# Altium PCB EEG_new.PcbDoc (part 2 of 2)
Units mm, origin at the board's own origin, x right, y up, seen from the top; angles counter-clockwise.
Board outline 100 x 80 mm, 2 copper layers (Top Layer, Bottom Layer); 142 components, 121 nets, 600 pads, 151 vias.
Unrouted connection lines stored in the file: 112.
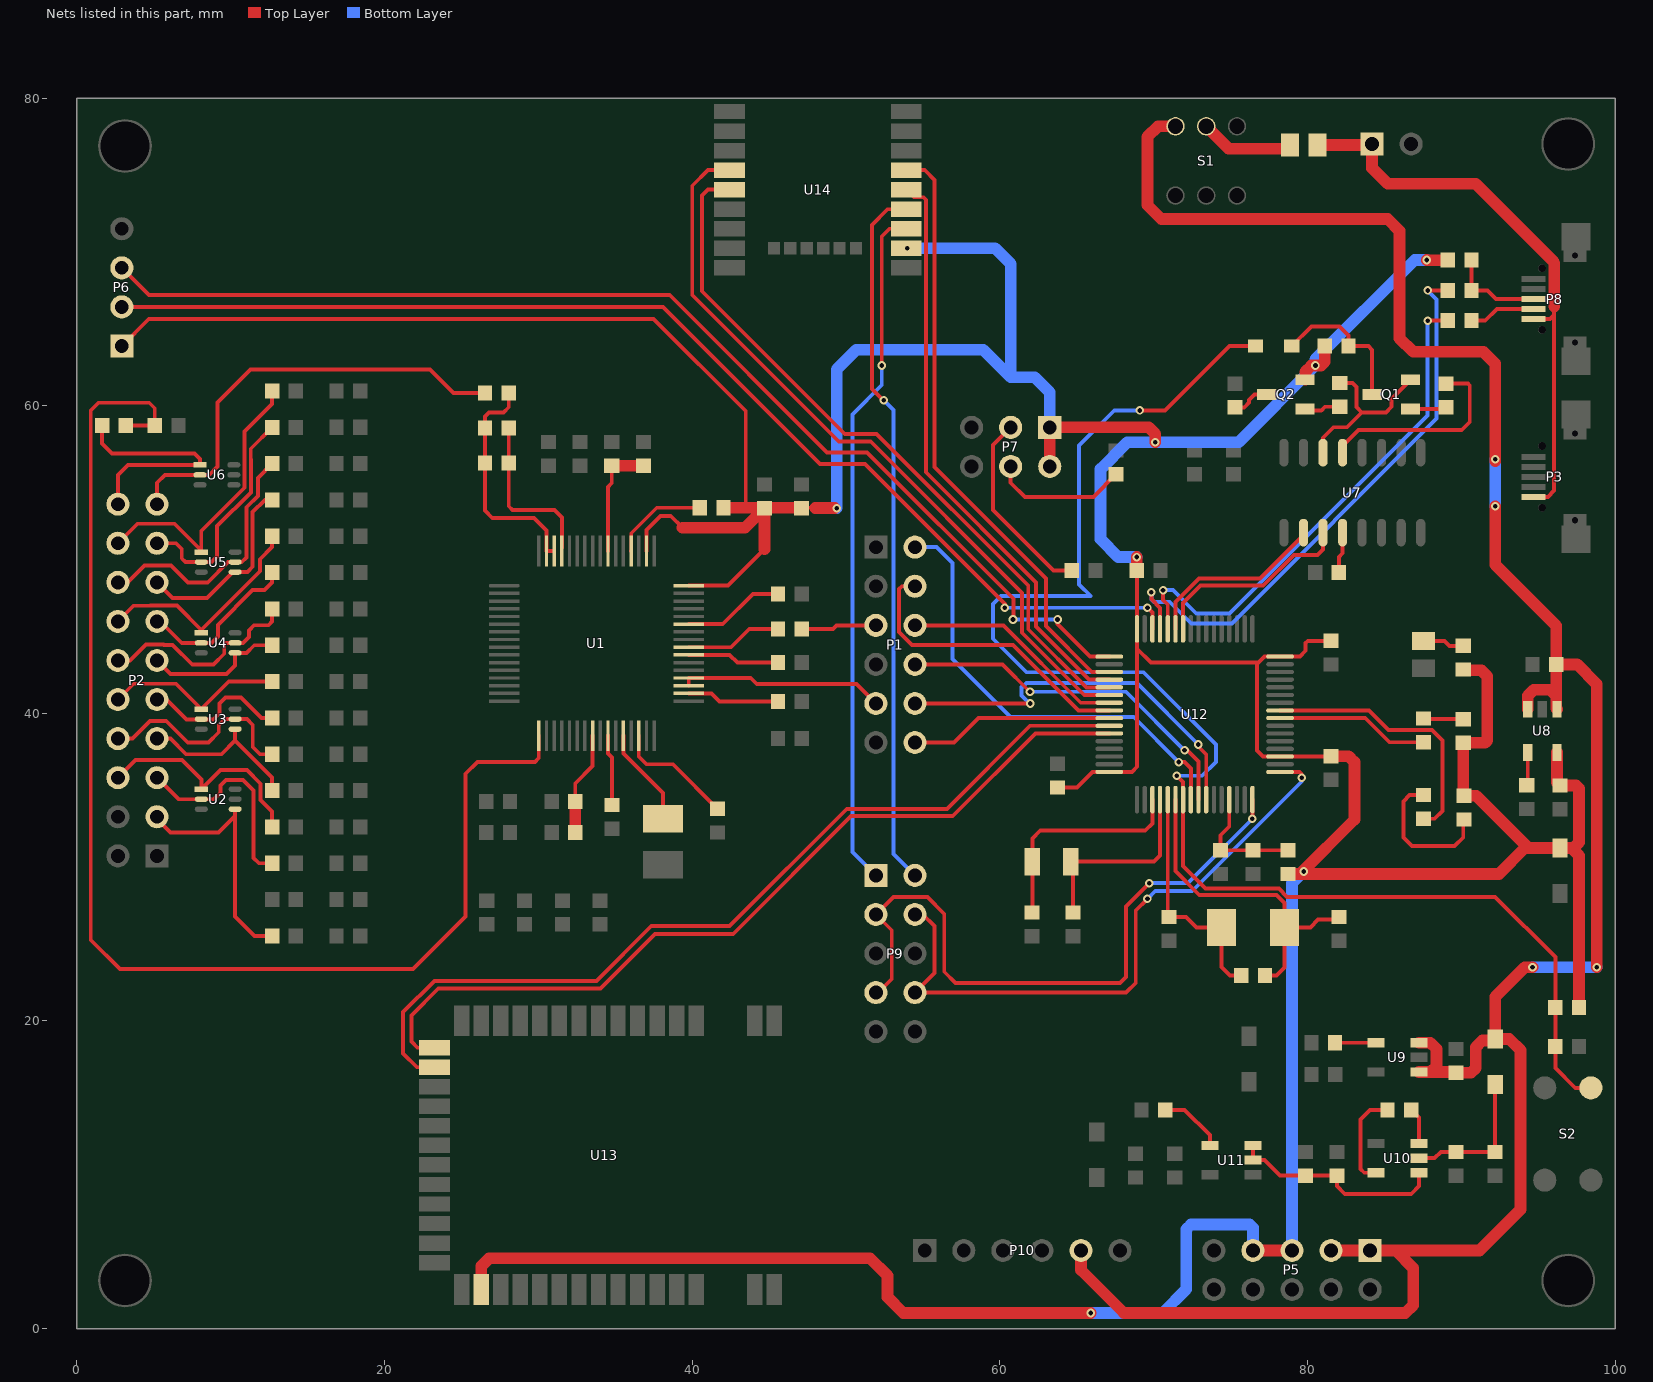
[diagram p2: the nets of this part, all layers, seen from the top]

## Via types
v1: diameter 0.559, hole 0.305, Top Layer to Bottom Layer, tented both sides, 151 vias

## Nets (pads, with @x,y where several pads share a name; then routed paths per layer and width w, separated by ;. In a path a pad name is that pad's centre, name@x,y a point inside that pad or via, vN(x,y) a via of type N, cw(c..) or ccw(c..) an arc to the next point about the centre after c; other vN are vias at no path point) (continued)
IN1P: P2.3 R6.1 U2.4 | length 15.9
  Top Layer w0.254: P2.3@5.207,33.274 5.207,33.131 6.096,32.242 9.211,32.242 10.287,33.318 ; U2.4@10.287,33.766 10.287,33.318 ; R6.1@12.692,25.527 11.557,25.527 10.287,26.797 10.287,33.318
IN2N: P2.6 R9.1 U2.1 | length 14.9
  Top Layer w0.254: P2.6@2.667,35.814 3.81,36.957 6.837,36.957 8.107,35.687 U2.1@8.107,35.218 ; U2.1@7.976,35.087 8.107,35.087 9.343,36.322 11.049,36.322 11.948,35.423 11.948,34.37 12.692,33.626 R9.1@12.692,32.614
IN2P: P2.5 R7.1 U2.2 | length 13.7
  Top Layer w0.254: P2.5@5.207,35.814 6.605,34.416 U2.2@8.087,34.416 8.923,34.416 9.324,34.817 9.324,35.301 9.699,35.676 10.796,35.676 11.481,34.992 11.481,30.604 11.834,30.251 R7.1@12.692,30.251
IN3N: P2.8 R15.1 U3.5 | length 13.8
  Top Layer w0.254: P2.8@2.667,38.354 3.61,38.354 4.753,39.497 5.81,39.497 7.207,38.1 8.555,38.1 9.223,38.768 9.223,39.237 9.583,39.597 9.61,39.624 U3.5@10.287,39.624 11.049,39.624 11.43,39.243 11.43,37.814 11.906,37.338 R15.1@12.692,37.338
IN3P: P2.7 R11.1 U3.4 | length 10.9
  Top Layer w0.254: P2.7@5.207,38.354 6.074,38.354 7.09,37.338 9.398,37.338 10.287,38.227 ; U3.4@10.287,38.974 10.287,38.227 ; R11.1@12.692,34.976 12.692,35.822 10.287,38.227
IN4N: P2.10 R16.1 U3.1 | length 11.9
  Top Layer w0.254: P2.10@2.667,40.894 3.696,41.923 6.438,41.923 U3.1@8.087,40.274 9.875,42.062 R16.1@12.692,42.062
IN4P: P2.9 R12.1 U3.2 | length 9.5
  Top Layer w0.254: P2.9@5.207,40.894 5.82,40.894 7.117,39.597 8.863,39.597 9.271,40.005 9.271,40.64 9.652,41.021 10.668,41.021 11.989,39.7 R12.1@12.692,39.7
IN5N: P2.12 R20.1 U4.5 | length 13.6
  Top Layer w0.254: P2.12@2.667,43.434 3.456,43.434 4.485,44.463 5.633,44.463 5.647,44.45 6.223,44.45 7.501,43.172 8.881,43.172 9.583,43.873 9.583,44.55 9.61,44.577 U4.5@10.287,44.577 10.795,44.577 11.176,44.958 11.176,45.39 11.511,45.724 12.45,45.724 12.692,45.966 R20.1@12.692,46.787
IN5P: P2.11 R18.1 U4.4 | length 9.1
  Top Layer w0.254: P2.11@5.207,43.434 6.096,42.545 9.735,42.545 10.287,43.097 U4.4@10.287,43.927 11.032,43.927 11.53,44.425 R18.1@12.692,44.425
IN6N: P2.14 R21.1 U4.1 | length 14.5
  Top Layer w0.254: P2.14@2.667,45.974 3.683,46.99 4.767,46.99 4.781,47.003 6.501,47.003 8.087,45.417 11.906,49.236 11.906,50.015 12.692,50.801 R21.1@12.692,51.511
IN6P: P2.13 R19.1 U4.2 | length 10.8
  Top Layer w0.254: P2.13@5.207,45.974 5.422,45.974 6.819,44.577 U4.2@8.087,44.577 8.764,44.577 9.173,44.986 9.173,45.749 11.429,48.005 12.193,48.005 12.692,48.505 R19.1@12.692,49.149
IN7N: P2.16 R24.1 U5.5 | length 16.7
  Top Layer w0.254: P2.16@2.667,48.514 3.302,48.514 4.399,49.611 6.127,49.611 7.224,48.514 8.509,48.514 9.828,49.833 U5.5@10.287,49.833 10.717,49.833 11.023,50.139 11.023,53.399 11.762,54.138 11.762,55.306 R24.1@12.692,56.236
IN7P: P2.15 R22.1 U5.4 | length 12.6
  Top Layer w0.254: P2.15@5.207,48.514 6.223,47.498 8.461,47.498 10.146,49.183 U5.4@10.287,49.183 11.083,49.183 11.429,49.529 11.429,53.085 12.217,53.873 R22.1@12.692,53.873
IN8N: P2.18 R25.1 U5.1 | length 19.1
  Top Layer w0.254: P2.18@2.667,51.054 3.937,52.324 6.35,52.324 U5.1@8.087,50.587 ; U5.1@8.087,50.483 U5.1@8.087,50.587 ; R25.1@12.692,60.96 12.692,60.103 10.897,58.308 10.897,56.346 10.905,56.337 10.905,54.661 8.087,51.842 U5.1@8.087,50.587
IN8P: P2.17 R23.1 U5.2 | length 14.8
  Top Layer w0.254: P2.17@5.207,51.054 6.438,51.054 6.819,50.673 6.819,50.077 7.063,49.833 U5.2@8.087,49.833 8.764,49.833 9.116,50.185 9.116,52.169 11.312,54.365 11.312,56.506 11.303,56.514 11.303,57.201 R23.1@12.692,58.59
LED0: D6.K U12.24 | length 10
  Top Layer w0.254: U12.24@78.218,39.689 83.755,39.689 85.323,38.121 D6.K@87.546,38.121
LED1: D7.K U12.25 | length 17.4
  Top Layer w0.254: U12.25@78.218,40.189 84.001,40.189 85.274,38.916 88.101,38.916 88.773,38.244 88.773,33.655 88.265,33.147 D7.K@87.546,33.147
NetC5_1: C5.1 C7.1 U1.55 | length 7.7
  Top Layer w0.254: U1.55@34.528,50.546 34.528,54.721 34.772,54.965 C7.1@34.772,56.095
  Top Layer w0.762: C7.1@34.772,56.095 C5.1@36.83,56.095
NetC8_1: C8.1 R3.1 R5.2 U1.62 U1.63 | length 15.2
  Top Layer w0.254: R5.2@28.075,60.833 28.075,59.898 27.74,59.563 26.797,59.563 26.535,59.301 R3.1@26.535,58.547 C8.1@26.535,56.261 26.535,53.172 27.002,52.705 29.718,52.705 30.528,51.895 30.528,51.272 30.52,51.264 30.52,50.554 U1.63@30.528,50.546 U1.62@31.028,50.546
NetC8_2: C8.2 R3.2 U1.61 | length 11.1
  Top Layer w0.254: R3.2@28.075,58.547 C8.2@28.075,56.261 28.075,53.459 28.321,53.213 31.049,53.213 31.528,52.734 31.528,50.764 31.519,50.773 U1.61@31.519,51.054
NetC27_1: C27.1 U1.26 | length 4.6
  Top Layer w0.254: U1.26@34.528,38.546 34.537,38.537 34.537,37.388 34.798,37.127 C27.1@34.798,34.044
NetC28_1: C28.1 U1.30 | length 7.9
  Top Layer w0.254: U1.30@36.528,38.546 36.528,37.189 37.028,36.689 38.757,36.689 C28.1@41.656,33.79
NetC31_1: C31.1 U1.28 | length 6.5
  Top Layer w0.254: U1.28@35.528,38.546 35.537,38.537 35.537,37.388 38.1,34.825 C31.1@38.1,33.147
NetC34_2: C34.2 C35.1 U1.24 | length 6.8
  Top Layer w0.254: C34.2@32.401,34.274 32.401,35.449 33.528,36.576 U1.24@33.528,38.546
  Top Layer w0.762: C35.1@32.401,32.242 C34.2@32.401,34.274
NetC38_2: C38.2 U7.4 | length 2.7
  Top Layer w0.254: C38.2@82.042,49.141 82.042,50.165 82.28,50.403 U7.4@82.28,51.748
NetC41_2: C41.2 U8.4 | length 2
  Top Layer w0.254: C41.2@94.254,35.441 94.32,35.507 U8.4@94.32,37.462
NetC44_2: C44.2 U9.4 | length 2.7
  Top Layer w0.254: C44.2@81.796,18.585 U9.4@84.452,18.585
NetC45_1: C45.1 U10.5 | length 6.3
  Top Layer w0.254: U10.5@84.452,10.13 83.693,10.13 83.439,10.384 83.439,13.589 84.074,14.224 C45.1@85.201,14.224
NetC45_2: C45.2 U10.3 | length 2.4
  Top Layer w0.254: C45.2@86.741,14.224 87.252,13.713 U10.3@87.252,12.03
NetC48_1: C48.1 C49.2 D4.2 U10.2 | length 9.5
  Top Layer w0.254: U10.2@87.252,11.08 88.268,11.08 88.673,11.485 C48.1@89.662,11.485 C49.2@92.202,11.485 D4.2@92.202,15.875
NetC50_1: C50.1 C51.2 U10.1 U11.2 U11.3 | length 14.1
  Top Layer w0.254: U11.3@76.457,11.903 U11.2@76.457,10.953 77.21,10.953 78.218,9.945 C51.2@79.883,9.945 C50.1@81.915,9.945 81.915,9.271 82.423,8.763 86.744,8.763 87.252,9.271 U10.1@87.252,10.13
NetC52_2: C52.2 U11.4 | length 4.3
  Top Layer w0.254: C52.2@70.755,14.224 72.009,14.224 73.657,12.576 U11.4@73.657,11.903
NetC53_2: C53.2 C54.2 R30.2 U12.13 | length 7.9
  Top Layer w0.254: U12.13@74.918,34.389 74.918,32.639 74.351,32.072 C53.2@74.351,31.099 C54.2@76.464,31.099 R30.2@78.74,31.099
NetC59_2: C59.2 R32.1 U12.6 Y1.1 | length 22.1
  Top Layer w0.254: U12.6@71.418,34.389 71.418,29.743 72.967,28.194 77.978,28.194 78.504,27.668 Y1.1@78.504,26.085 ; R32.1@77.234,22.945 77.977,22.945 78.504,23.472 Y1.1@78.504,26.085 ; C59.2@82.042,26.763 81.872,26.593 80.695,26.593 80.187,26.085 Y1.1@78.504,26.085
NetC60_2: C60.2 R32.2 U12.5 Y1.2 | length 15.4
  Top Layer w0.254: U12.5@70.918,34.389 70.918,26.838 C60.2@70.993,26.763 72.112,26.763 72.79,26.085 Y1.2@74.404,26.085 74.404,23.513 74.972,22.945 R32.2@75.694,22.945
NetC61_2: C61.2 U12.3 Y2.2 | length 14.6
  Top Layer w0.254: C61.2@62.103,27.051 62.113,27.061 Y2.2@62.113,30.353 62.113,31.871 62.627,32.385 69.456,32.385 69.918,32.846 U12.3@69.918,34.389
NetC62_2: C62.2 U12.4 Y2.1 | length 12.8
  Top Layer w0.254: Y2.1@64.613,30.353 64.77,30.196 C62.2@64.77,27.051 ; Y2.1@64.77,30.353 70.019,30.353 70.418,30.751 U12.4@70.418,34.389
NetD1_2: D1.2 Q1.3 R26.2 | length 9.7
  Top Layer w0.254: D1.2@78.978,63.873 80.256,65.151 82.074,65.151 82.669,64.556 R26.2@82.669,63.873 83.955,63.873 84.205,63.623 Q1.3@84.205,60.73
NetD6_A: D6.A R31.2 | length 2.6
  Top Layer w0.254: D6.A@87.546,39.661 87.587,39.62 R31.2@90.128,39.62
NetD7_A: D7.A R33.2 | length 9.6
  Top Layer w0.254: D7.A@87.546,34.687 86.646,34.687 86.233,34.274 86.233,31.929 86.793,31.369 89.568,31.369 90.128,31.929 R33.2@90.128,33.317
NetD8_A: D8.A R34.2 | length 2.7
  Top Layer w0.254: D8.A@87.546,44.706 88.898,44.706 89.221,44.383 R34.2@90.128,44.383
NetF1_1: F1.1 S1.2 | length 6.1
  Top Layer w0.762: S1.2@73.418,78.16 74.87,76.708 78.631,76.708 F1.1@78.866,76.943
NetP7_3: P7.3 R35.2 | length 12.6
  Top Layer w0.254: P7.3@60.706,58.59 59.563,57.447 59.563,53.206 63.493,49.276 R35.2@64.679,49.276
NetP7_4: P7.4 R37.1 | length 8.9
  Top Layer w0.254: P7.4@60.706,56.05 60.706,54.991 61.625,54.072 66.091,54.072 R37.1@67.564,55.545
NetP8_2: P8.2 R38.1 | length 4.4
  Top Layer w0.254: R38.1@90.662,65.524 91.559,65.524 92.314,66.279 P8.2@94.703,66.279
NetP8_3: P8.3 R39.1 R40.1 | length 6.2
  Top Layer w0.254: R40.1@90.662,69.461 R39.1@90.662,67.492 91.694,67.492 92.257,66.929 P8.3@94.703,66.929
NetQ1_1: Q1.1 R27.2 | length 2.4
  Top Layer w0.254: Q1.1@86.705,59.78 88.901,59.78 R27.2@89.011,59.89
NetQ1_2: Q1.2 R28.2 U7.14 | length 11.5
  Top Layer w0.254: U7.14@81.01,56.948 81.01,57.912 81.696,58.598 82.564,58.598 83.529,59.563 ; R28.2@82.099,61.468 82.931,61.468 83.185,61.214 83.185,59.907 83.529,59.563 ; Q1.2@86.705,61.68 85.471,60.446 85.471,59.93 85.104,59.563 83.529,59.563
NetQ2_1: Q2.1 R28.1 | length 2.4
  Top Layer w0.254: Q2.1@79.847,59.78 79.937,59.69 80.899,59.69 81.137,59.928 R28.1@82.099,59.928
NetQ2_3: Q2.3 R29.1 | length 2.5
  Top Layer w0.254: R29.1@75.295,59.89 75.892,59.89 76.2,60.198 76.2,60.361 76.569,60.73 Q2.3@77.347,60.73
NetR4_2: R4.2 U1.52 | length 6.3
  Top Layer w0.254: U1.52@36.028,50.546 36.037,50.555 36.037,51.704 37.698,53.365 R4.2@40.497,53.365
NetR10_1: R10.1 U1.43 | length 6.6
  Top Layer w0.254: U1.43@39.778,45.796 41.986,45.796 43.942,47.752 R10.1@45.577,47.752
NetR13_1: R13.1 U1.40 | length 6.3
  Top Layer w0.254: U1.40@39.778,44.296 42.518,44.296 43.711,45.489 R13.1@45.577,45.489
NetR14_1: R14.1 U1.39 | length 6
  Top Layer w0.254: U1.39@39.778,43.796 42.437,43.796 42.937,43.296 R14.1@45.577,43.296
NetR17_1: R17.1 U1.34 | length 6
  Top Layer w0.254: U1.34@39.778,41.296 41.254,41.296 41.783,40.767 R17.1@45.577,40.767
NetR27_1: R27.1 U7.13 | length 13.3
  Top Layer w0.254: U7.13@82.28,56.948 82.28,57.388 83.312,58.42 90.027,58.42 90.551,58.944 90.551,61.303 90.424,61.43 R27.1@89.011,61.43
nRF_RX: P9.1 U14.18 | length 44.8
  Top Layer w0.254: v1(52.324,62.611) 52.324,70.993 52.832,71.501 U14.18@53.918,71.501
  Bottom Layer w0.254: P9.1@51.943,29.464 50.419,30.988 50.419,59.436 52.324,61.341 v1(52.324,62.611)
nRF_TX: P9.2 U14.19 | length 46.1
  Top Layer w0.254: v1(52.451,60.361) 52.399,60.361 51.689,61.071 51.689,71.755 52.705,72.771 U14.19@53.918,72.771
  Bottom Layer w0.254: v1(52.451,60.361) 53.086,59.726 53.086,30.861 P9.2@54.483,29.464
P\W\D\N\: P1.9 U1.35 U1.36 | length 13.3
  Top Layer w0.254: U1.35@39.778,41.804 U1.36@39.778,42.296 43.81,42.296 44.196,41.91 50.673,41.91 P1.9@51.943,40.64
PB6: U12.58 U13.17 | length 58.7
  Top Layer w0.254: U13.17@23.249,16.99 22.108,16.99 21.209,17.889 21.209,20.574 23.241,22.606 33.782,22.606 37.338,26.162 42.418,26.162 50.046,33.79 56.561,33.79 61.96,39.189 U12.58@67.118,39.189
PB7: U12.59 U13.16 | length 56.3
  Top Layer w0.254: U13.16@23.249,18.26 22.154,18.26 21.752,18.662 21.752,20.355 23.495,22.098 34.036,22.098 37.592,25.654 42.672,25.654 50.335,33.317 56.939,33.317 62.311,38.689 U12.59@67.118,38.689
PC0: P1.2 U12.8 | length 29.6
  Top Layer w0.254: v1(71.628,36.83) 72.009,36.83 72.418,36.421 U12.8@72.418,34.389
  Bottom Layer w0.254: P1.2@54.483,50.8 55.88,50.8 56.921,49.759 56.921,43.536 60.706,39.751 68.707,39.751 v1(71.628,36.83)
PC1: P1.8 U12.9 | length 23.5
  Top Layer w0.254: P1.8@54.483,43.18 60.169,43.18 61.947,41.402 v1(61.96,41.402) ; v1(72.009,37.592) 72.2,37.592 72.918,36.874 U12.9@72.918,34.389
  Bottom Layer w0.254: v1(61.96,41.402) 68.199,41.402 v1(72.009,37.592)
PC2: P1.10 U12.10 | length 25.9
  Top Layer w0.254: P1.10@54.483,40.64 v1(61.976,40.64) ; v1(72.898,37.973) 72.898,37.846 73.418,37.326 U12.10@73.418,34.389
  Bottom Layer w0.254: v1(61.976,40.64) 61.932,40.64 61.401,41.171 61.401,41.716 61.484,41.716 61.729,41.961 68.91,41.961 v1(72.898,37.973)
PC10: U12.51 U14.21 | length 39.5
  Top Layer w0.254: U14.21@53.918,75.311 55.118,75.311 55.753,74.676 55.753,56.007 62.992,48.768 62.992,45.671 65.974,42.689 U12.51@67.118,42.689
PC11: U12.52 U14.20 | length 38.5
  Top Layer w0.254: U14.20@53.918,74.041 54.409,73.55 55.034,73.55 55.197,73.387 55.197,55.674 62.357,48.514 62.357,45.637 65.805,42.189 U12.52@67.118,42.189
PC12: U12.53 U14.5 | length 47
  Top Layer w0.254: U14.5@42.418,74.041 41.021,74.041 40.64,73.66 40.64,67.437 49.916,58.161 51.993,58.161 61.849,48.305 61.849,45.466 65.626,41.689 U12.53@67.118,41.689
PD2: U12.54 U14.4 | length 49.3
  Top Layer w0.254: U14.4@42.418,75.311 41.021,75.311 40.005,74.295 40.005,67.183 49.53,57.658 51.607,57.658 61.443,47.822 61.443,45.237 65.491,41.189 U12.54@67.118,41.189
REF: P2.20 R2.1 U6.1 | length 15.9
  Top Layer w0.254: R2.1@1.643,58.717 1.643,57.539 2.286,56.896 7.65,56.896 8.001,56.545 U6.1@8.001,56.149 3.317,56.149 2.667,55.499 P2.20@2.667,53.594
RESET: C63.2 D1.1 R36.2 S2.1 U12.7 | length 97.2
  Top Layer w0.254: v1(69.088,59.69) 70.739,59.69 74.922,63.873 D1.1@76.618,63.873 ; v1(71.501,35.941) 71.918,35.524 U12.7@71.918,34.389 71.918,30.063 73.381,28.6 78.146,28.6 78.68,28.067 92.202,28.067 96.115,24.154 R36.2@96.115,20.873 96.115,16.943 97.406,15.652 S2.1@98.425,15.652
  Bottom Layer w0.254: v1(69.088,59.69) 67.437,59.69 65.151,57.404 65.151,48.387 65.913,47.625 60.071,47.625 59.563,47.117 59.563,44.847 61.738,42.672 69.342,42.672 74.041,37.973 74.041,36.83 73.152,35.941 v1(71.501,35.941)
RL: P2.19 R5.1 U6.2 | length 28.9
  Top Layer w0.254: P2.19@5.207,53.594 5.207,54.991 5.715,55.499 U6.2@8.001,55.499 8.605,55.499 9.144,56.038 9.144,60.212 11.289,62.357 22.961,62.357 24.485,60.833 R5.1@26.535,60.833
SCLK: P1.5 R13.2 | length 4.9
  Top Layer w0.254: R13.2@47.117,45.489 49.149,45.489 49.38,45.72 P1.5@51.943,45.72
SPI3_MISO: P1.4 U12.56 | length 19.7
  Top Layer w0.254: P1.4@54.483,48.26 53.636,48.26 53.454,48.077 53.454,45.294 54.297,44.45 60.858,44.45 65.119,40.189 U12.56@67.118,40.189
SPI3_MOSI: P1.12 U12.57 | length 13.3
  Top Layer w0.254: P1.12@54.483,38.1 57.023,38.1 58.612,39.689 U12.57@67.118,39.689
SPI3_SCK: P1.6 U12.55 | length 14.7
  Top Layer w0.254: P1.6@54.483,45.72 60.231,45.72 65.262,40.689 U12.55@67.118,40.689
SRB1: C6.2 R2.2 U1.17 | length 84.4
  Top Layer w0.254: R2.2@3.183,58.717 C6.2@5.064,58.717 5.064,59.833 4.707,60.19 1.403,60.19 0.899,59.686 0.899,25.263 2.794,23.368 21.844,23.368 25.273,26.797 25.273,36.068 26.035,36.83 29.774,36.83 30.028,37.084 U1.17@30.028,38.546
SWCLK: P6.3 U12.49 | length 75.7
  Top Layer w0.254: P6.3@2.921,68.961 4.699,67.183 38.541,67.183 48.759,56.966 51.365,56.966 60.884,47.447 60.884,46.127 v1(60.858,46.101) ; v1(63.754,46.101) 63.754,45.807 65.872,43.689 U12.49@67.118,43.689
  Bottom Layer w0.254: v1(60.858,46.101) v1(63.754,46.101)
SWDIO: P6.2 U12.46 | length 76.4
  Top Layer w0.254: P6.2@2.921,66.421 38.1,66.421 48.316,56.205 51.237,56.205 60.325,47.117 v1(60.325,46.863) ; v1(69.596,46.863) 69.918,46.541 U12.46@69.918,45.489
  Bottom Layer w0.254: v1(60.325,46.863) 69.588,46.863 v1@69.596,46.855
USART1_RX: U7.2 U12.43 | length 12
  Top Layer w0.254: U12.43@71.418,45.489 71.418,47.244 72.942,48.768 76.909,48.768 79.74,51.599 U7.2@79.74,51.748
USART1_TX: U7.3 U12.42 | length 13.3
  Top Layer w0.254: U12.42@71.918,45.489 71.918,47.169 73.045,48.296 77.125,48.296 79.121,50.292 80.661,50.292 81.01,50.641 U7.3@81.01,51.748
USART2_RX: P9.4 P9.8 U12.17 | length 42
  Top Layer w0.254: P9.4@54.483,26.924 54.991,26.924 55.753,26.162 55.753,23.114 P9.8@54.483,21.844 68.199,21.844 68.834,22.479 68.834,27.178 v1(69.596,27.94) ; U12.17@78.218,36.189 79.496,36.189 79.629,36.056 v1(79.629,35.814)
  Bottom Layer w0.254: v1(69.596,27.94) 70.104,28.448 72.509,28.448 76.977,32.916 79.629,35.568 v1(79.629,35.814)
USART2_TX: P9.3 P9.7 U12.16 | length 43.8
  Top Layer w0.254: P9.7@51.943,21.844 52.083,21.844 52.972,22.733 52.972,25.895 P9.3@51.943,26.924 53.086,28.067 55.286,28.067 56.388,26.965 56.388,23.199 57.108,22.479 67.818,22.479 68.199,22.86 68.199,27.432 v1(69.723,28.956) ; v1(76.418,33.147) U12.16@76.418,34.389
  Bottom Layer w0.254: v1(69.723,28.956) 72.227,28.956 v1(76.418,33.147)
USB_5V: F1.2 P3.1 P4.1 P8.1 | length 37.3
  Top Layer w0.254: P3.1@94.703,54.072 95.629,54.072 96.037,54.479 96.037,65.909 ; P8.1@94.703,65.629 95.756,65.629 96.037,65.909 ; 96.037,66.449 96.037,65.909
  Top Layer w0.762: F1.2@80.646,76.943 84.134,76.943 P4.1@84.201,77.01 84.201,75.438 85.217,74.422 90.932,74.422 96.012,69.342 96.012,69.278 96.037,69.253 96.037,66.449
USB_D+: R39.2 U12.45 | length 37.7
  Top Layer w0.254: v1(69.85,47.879) 69.85,47.423 70.418,46.855 U12.45@70.418,45.489 ; v1(87.812,67.492) R39.2@89.122,67.492
  Bottom Layer w0.254: v1(69.85,47.879) 69.85,47.399 70.005,47.244 71.047,47.244 72.444,45.847 75.082,45.847 88.392,59.157 88.392,66.913 v1(87.812,67.492)
USB_D-: R38.2 U12.44 | length 33.3
  Top Layer w0.254: v1(70.612,48.006) 70.612,47.371 70.918,47.065 U12.44@70.918,45.489 ; v1(87.812,65.524) R38.2@89.122,65.524
  Bottom Layer w0.254: v1(70.612,48.006) 71.247,48.006 72.771,46.482 74.93,46.482 87.812,59.364 v1(87.812,65.524)
VCC: C39.2 C42.2 D4.1 P5.1 P5.3 P10.5 S1.1 U8.1 U8.3 U9.1 U9.3 | length 160.1
  Top Layer w0.762: P10.5@65.278,5.08 65.278,3.81 68.072,1.016 86.363,1.016 86.868,1.521 86.868,3.937 85.725,5.08 ; S1.1@71.418,78.16 70.286,78.16 69.596,77.47 69.596,73.045 70.505,72.136 85.217,72.136 85.979,71.374 85.979,64.389 86.868,63.5 91.44,63.5 92.202,62.738 v1(92.202,56.515) v1@92.202,56.388 ; P5.3@81.534,5.08 P5.1@84.074,5.08 85.725,5.08 ; U9.1@87.252,16.685 88.011,16.685 ; U9.3@87.252,18.585 87.984,18.585 88.392,18.177 88.392,17.066 88.011,16.685 ; v1(92.202,53.467) 92.202,49.657 96.167,45.692 C39.2@96.167,43.18 ; U8.3@94.32,40.262 94.32,41.146 94.703,41.529 95.786,41.529 96.167,41.148 ; v1(94.627,23.495) 94.127,23.495 92.202,21.57 D4.1@92.202,18.825 ; U8.1@96.22,40.262 96.167,40.315 96.167,41.148 ; v1(98.806,23.495) 98.806,41.902 97.528,43.18 C39.2@96.167,43.18 ; 85.725,5.08 91.186,5.08 93.853,7.747 93.853,18.095 93.123,18.825 D4.1@92.202,18.825 ; 88.011,16.685 89.614,16.685 C42.2@89.662,16.637 90.63,16.637 90.932,16.939 90.932,18.288 91.374,18.73 92.107,18.73 D4.1@92.202,18.825 ; 96.167,41.148 C39.2@96.167,43.18
  Bottom Layer w0.762: v1(92.202,53.467) v1(92.202,56.515) ; v1(94.627,23.495) v1(98.806,23.495)
VCC3.3: C13.1 C14.1 C40.2 C55.2 C56.2 C57.2 C58.2 D2.2 P5.5 P5.7 P6.1 P7.1 P7.2 Q2.2 R4.1 R26.1 R30.1 R31.1 R33.1 R34.1 R36.1 R40.2 U1.48 U1.50 U8.5 U12.19 U12.32 U12.48 U12.64 U13.29 U14.17 | length 362.4
  Top Layer w0.254: P6.1@2.921,63.881 4.669,65.629 37.495,65.629 43.483,59.641 43.483,53.365 ; U1.50@37.028,50.546 37.028,51.916 37.944,52.832 38.608,52.832 39.37,52.07 ; U1.48@39.778,48.296 42.327,48.296 44.704,50.673 ; C14.1@44.704,53.34 44.679,53.365 C14.1@44.729,53.365 ; C13.1@47.092,53.365 47.118,53.364 48.006,53.34 ; C57.2@63.754,35.171 65.016,35.171 66.034,36.189 U12.64@67.118,36.189 68.58,36.189 68.918,36.527 68.918,44.196 ; 68.918,48.736 U12.48@68.918,45.489 68.918,44.196 ; C58.2@81.534,37.216 81.507,37.189 U12.19@78.218,37.189 77.111,37.189 76.708,37.592 76.708,43.181 76.823,43.296 ; C55.2@81.534,44.712 80.018,44.712 79.883,44.577 79.883,44.07 79.502,43.689 U12.32@78.218,43.689 77.216,43.689 76.823,43.296 ; 68.918,44.196 69.818,43.296 76.823,43.296
  Top Layer w0.762: U13.29@26.289,2.54 26.289,4.064 26.797,4.572 51.562,4.572 52.705,3.429 52.705,2.032 53.721,1.016 v1(65.913,1.016) ; 39.37,52.07 43.434,52.07 C14.1@44.704,53.34 44.704,50.673 ; R4.1@42.037,53.365 43.483,53.365 C14.1@44.679,53.365 ; C14.1@44.729,53.365 C13.1@47.092,53.365 ; 48.006,53.34 v1@49.276,53.34 ; P7.2@63.246,56.05 P7.1@63.246,58.59 69.68,58.59 70.109,58.161 v1(70.109,57.623) ; C56.2@68.91,49.276 v1(68.91,50.158) ; P5.7@76.454,5.08 P5.5@78.994,5.08 ; R30.1@78.74,29.559 79.519,29.559 ; Q2.2@79.847,61.68 79.847,62.194 80.264,62.611 v1(80.518,62.611) 80.883,62.611 81.129,62.857 R26.1@81.129,63.873 ; C58.2@81.534,37.216 82.672,37.216 83.058,36.83 83.058,33.097 79.519,29.559 ; v1(87.757,69.469) 87.765,69.461 R40.2@89.122,69.461 ; R34.1@90.128,42.843 90.175,42.796 91.31,42.796 91.694,42.412 91.694,38.227 91.547,38.08 R31.1@90.128,38.08 90.128,34.637 R33.1@90.175,34.637 90.966,34.637 94.25,31.353 94.139,31.242 ; U8.5@96.22,37.462 96.22,35.499 C40.2@96.413,35.306 97.46,35.306 97.655,35.111 97.655,31.615 97.282,31.242 97.155,31.242 ; R36.1@97.655,20.873 97.655,30.742 97.155,31.242 ; 79.519,29.559 92.456,29.559 94.139,31.242 ; 94.139,31.242 D2.2@96.413,31.242 97.155,31.242
  Bottom Layer w0.762: v1(49.403,53.34) 49.403,62.357 50.673,63.627 58.928,63.627 60.706,61.849 ; v1(53.975,70.231) 59.69,70.231 60.706,69.215 60.706,61.849 ; P7.1@63.246,58.59 63.246,60.874 62.271,61.849 60.706,61.849 ; v1(65.913,1.016) 70.575,1.016 72.112,2.553 72.112,6.453 72.427,6.768 76.237,6.768 76.454,6.551 P5.7@76.454,5.08 ; v1(68.91,50.158) 67.698,50.158 66.548,51.308 66.548,55.88 68.291,57.623 v1(70.109,57.623) 75.53,57.623 v1(80.518,62.611) 80.518,63.006 86.981,69.469 v1(87.757,69.469) ; P5.5@78.994,5.08 78.994,28.956 v1(79.756,29.718)
pads on no net: P3. P3.4 P3.6 P8. P8.4 P8.6 P10.1 P10.6 S1.3 S1.4 S1.5 S1.6 S2. U1.18 U1.27 U1.29 U1.37 U1.41 U1.42 U1.44 U1.45 U1.46 U1.60 U1.64 U2.6 U3.6 U4.6 U5.6 U6.4 U6.5 U6.6 U7.7 U7.8 U7.9 U7.10 U7.11 U7.12 U7.15 U12.1 U12.2 U12.11 U12.14 U12.15 U12.20 U12.21 U12.22 U12.23 U12.26 U12.27 U12.29 U12.30 U12.33 U12.34 U12.35 U12.36 U12.37 U12.38 U12.39 U12.40 U12.41 U12.50 U12.61 U12.62 U13.4 U13.5 U13.8 U13.9 U13.10 U13.11 U13.12 U13.13 U13.14 U13.15 U13.18 U13.19 U13.20 U13.21 U13.22 U13.23 U13.24 U13.25 U13.26 U13.28 U13.30 U13.31 U13.32 U13.33 U13.34 U13.35 U13.36 U13.37 U13.38 U13.39 U14.2 U14.3 U14.6 U14.7 U14.8 U14.10 U14.11 U14.12 U14.13 U14.14 U14.15 U14.22 U14.23 U14.24
copper on no net: | length 121.2
  Bottom Layer w0.508: 20.447,28.956 46.228,28.956 46.355,29.083 46.355,51.054 48.133,52.832 48.133,61.087 46.228,62.992 20.447,62.992 20.447,28.956

## Polygon pours and split planes (outlines as drawn)
AGND on Top Layer "Top Layer-AGND" (solid, remove dead copper, pour order 14): 0.254,28.702 0.254,0.254 99.822,0.254 99.695,0.381 99.695,79.756 0.254,79.756 0.254,28.702 20.32,28.702 20.193,28.829 20.193,62.992 20.447,63.246 46.355,63.246 48.387,61.214 48.387,52.741 46.609,50.963 46.609,28.956 46.355,28.702
DGND on Top Layer "Top Layer-DGND" (solid, remove dead copper, pour order 16): 20.701,62.738 20.701,29.21 46.101,29.21 46.101,51.054 48.006,52.959 47.879,53.086 47.879,60.96 46.228,62.611 46.228,62.738
AGND on Bottom Layer "Top Layer-AGND" (solid, remove dead copper, pour order 44): 0.254,28.702 0.254,0.254 99.822,0.254 99.695,0.381 99.695,79.756 0.254,79.756 0.254,28.702 20.32,28.702 20.193,28.829 20.193,62.992 20.447,63.246 46.355,63.246 48.387,61.214 48.387,52.741 46.609,50.963 46.609,28.956 46.355,28.702
DGND on Bottom Layer "Top Layer-DGND" (solid, remove dead copper, pour order 42): 20.701,62.738 20.701,29.21 46.101,29.21 46.101,51.054 48.006,52.959 47.879,53.086 47.879,60.96 46.228,62.611 46.228,62.738

## Other copper
Top Layer:
  pour cut-out: 24.669,36.068 25.273,36.068 25.273,28.935 25.338,28.87 23.622,28.87 23.622,31.75 24.384,32.512
  pour cut-out: 40.755,62.922 41.98,62.922 44.577,60.325 44.577,59.69 43.164,59.69 43.053,59.579 40.64,61.992 40.64,62.484
  pour cut-out: 30.028,37.084 30.48,36.632 30.48,29.918 33.204,29.918 33.018,30.104 33.018,31.625 32.893,31.75 33.018,31.875 33.018,36.066 33.277,36.325 33.277,37.009
  pour cut-out: 42.298,31.633 42.327,31.604 42.327,29.188 39.574,29.188 39.552,29.21 39.552,29.603 40.906,29.603 41.656,30.353
  pour cut-out: 28.829,49.412 28.829,39.677 28.91,39.597 29.074,39.761 38.626,39.761 38.626,49.157 38.862,49.394
  pour cut-out: 68.199,44.296 68.012,44.109 68.012,35.179 77.153,35.179 77.344,35.37 77.344,44.249
  pour cut-out: 72.955,12.355 72.955,9.629 73.124,9.459 73.19,9.525 77.106,9.525 77.106,12.302 77.159,12.355
  pour cut-out: 83.602,12.573 83.584,12.555 83.584,9.867 86.778,9.867 86.967,9.678 87.252,9.962 87.252,12.7
  pour cut-out: 83.75,19.037 83.75,15.962 83.82,15.892 84.002,16.074 87.984,16.074 87.984,18.764 87.757,18.991
  pour cut-out: 44.059,79.883 44.16,79.782 44.16,66.929 51.562,66.929 51.689,67.056 52.324,67.056 52.324,79.314 52.766,79.756 52.512,80.01 43.561,80.01 43.561,66.99 43.373,66.802 43.469,66.706 44.011,66.706
  pour cut-out: 24.401,18.858 24.257,18.713 24.257,3.556 48.641,3.556 48.514,3.683 48.514,18.66 24.599,18.66
  pour cut-out: 24.401,18.858
  pour cut-out: 64.262,36.874 64.262,36.449 64.293,36.418 68.336,36.418 68.336,37.029
  pour cut-out: 1.016,60.198 1.016,58.42 1.362,58.074 4.953,58.074 4.953,59.722 5.064,59.833 4.699,60.198
  pour cut-out: 7.493,57.181 7.716,57.404 10.585,57.404 10.585,54.101 10.548,54.138 9.665,54.138 7.747,56.055 7.747,56.654
  pour cut-out: 12.193,47.721 12.065,47.593 12.065,45.724 10.403,45.724 10.24,45.561 10.24,46.886 10.692,46.886 11.811,48.005
  pour cut-out: 35.302,28.206 35.125,28.382 35.125,28.829 32.228,28.829 32.028,28.629 32.028,27.94 34.27,27.94 34.397,28.067
  pour cut-out: 52.197,20.574 52.197,19.453 53.117,18.533 53.117,10.024 57.341,5.8 59.944,5.8 59.944,6.35 59.182,7.112 56.515,7.112 56.515,7.239 53.594,10.16 53.594,17.919 53.336,18.177 53.573,18.413 53.573,21.569 53.721,21.717
  pour cut-out: 91.279,68.819 91.279,68.672 92.257,67.694 92.056,67.492 90.709,67.492 90.424,67.777 90.474,67.828 90.474,68.834
  pour cut-out: 64.262,36.874 64.262,35.654 63.922,35.314 64.065,35.171 65.016,35.171 66.034,36.189 68.58,36.189 68.58,37.105 68.496,37.189 68.175,36.868 64.903,36.868
  pour cut-out: 70.418,43.474 70.221,43.671 70.221,46.238 69.907,46.552 68.777,46.552 68.777,44.337 69.299,43.815 69.68,43.815
  pour cut-out: 77.326,42.944 77.353,42.971 81.026,42.971 81.026,44.212 81.137,44.323 80.792,44.668 80.264,44.668 80.264,44.451 79.287,43.474 77.347,43.474 77.347,43.067 77.343,43.063
  pour cut-out: 78.232,76.399 81.035,76.399 81.378,76.056 81.378,77.83 78.134,77.83 78.134,76.164 81.164,76.164 81.255,76.073
  pour cut-out: 88.505,70.103 88.505,64.882 91.279,64.882 91.279,64.913 92.257,65.891 92.257,67.694 91.388,67.694 90.947,68.135 91.059,68.247 91.059,70.051
  pour cut-out: 77.851,57.968 77.851,50.722 87.586,50.722 87.884,51.02 87.884,58.112 89.719,58.112 90.752,59.145 90.752,61.504 90.196,61.504 89.471,62.23 84.011,62.23 84.011,63.414 83.544,63.881 82.438,63.881 82.438,64.424 81.456,65.405 79.783,63.732 79.121,63.732 79.121,59.585 79.143,59.563 78.009,58.429 78.009,57.233
  pour cut-out: 50.782,69.723 53,69.723 53.086,69.637 53.086,70.849 50.984,70.849 50.874,70.739
  pour cut-out: 40.64,69.596 41.446,69.596 41.529,69.679 41.42,69.788 41.42,74.404 41.384,74.404 40.386,73.406 40.386,69.85
  pour cut-out: 68.62,45.236 68.008,45.847 67.701,45.847 67.701,50.534 67.985,50.819 68.1,50.704 68.961,50.704 68.961,49.708 68.62,49.366
  pour cut-out: 69.181,46.456 69.181,43.751 69.467,43.465 70.494,43.465 70.494,44.577
  pour cut-out: 64.262,36.874 64.262,36.449 64.29,36.421 67.985,36.421 67.985,36.925 67.922,36.862 64.516,36.862
  pour cut-out: 47.734,41.409 47.661,41.483 47.661,41.783 46.767,41.783 46.482,41.498 46.482,41.296
  pour cut-out: 36.195,18.923 36.533,18.585 39.581,18.585 39.552,18.614 39.552,19.068 37.066,19.068 36.957,19.177
  pour cut-out: 5.842,52.324 9.682,52.324 10.838,53.479 11.823,53.479 11.823,57.434 11.886,57.372 12.075,57.372 12.075,51.063 12.319,50.818 10.24,48.739 10.24,45.034 10.93,45.724 12.45,45.724 12.45,44.303 12.075,43.927 12.302,43.7 12.302,32.11 12.407,32.004 12.075,31.671 12.075,25.812 11.73,25.812 10.287,27.255 10.287,33.318 5.87,33.318 5.445,32.893 4.311,34.027 4.311,52.984 4.191,53.104
  pour cut-out: 1.183,58.074 1.143,58.034 1.143,57.208 1.56,57.208 2.334,56.434 7.385,56.434 7.424,56.473 7.424,56.603 2.176,56.603 1.643,57.137 1.643,58.293

## Silkscreen, mask and mechanical layers (free items; w line width, h text height)
Top Overlay:
  drawing of 11962 lines, arcs and shapes, not listed
  text "+" at 83.947,74.422 h0.76
  text "-" at 86.487,74.422 h0.76
  text "GND" at 4.572,72.411 h0.64 r270
  text "CLK" at 4.572,69.871 h0.64 r270
  text "DIO" at 4.572,67.331 h0.64 r270
  text "VCC" at 4.572,64.791 h0.64 r270
  text "GND" at 57.224,60.198 h0.64
  text "BOOT0" at 59.362,60.198 h0.64
  text "VCC" at 62.791,60.193 h0.64
  text "REF" at 0.381,54.516 h0.64 r270
  text "RL" at 6.731,54.158 h0.64 r270
  text "GND" at 57.277,53.725 h0.64
  text "BOOT1" at 59.563,53.721 h0.64
  text "VCC" at 62.791,53.725 h0.64
  text "8P" at 6.731,51.562 h0.64 r270
  text "8N" at 0.381,51.486 h0.64 r270
  text "DRDY" at 48.133,50.403 h0.64
  text "PC0" at 56.134,50.403 h0.64
  text "7P" at 6.731,49.019 h0.64 r270
  text "7N" at 0.381,48.954 h0.64 r270
  text "DOUT" at 48.133,47.863 h0.64
  text "PB4" at 56.134,47.863 h0.64
  text "6P" at 6.731,46.476 h0.64 r270
  text "6N" at 0.381,46.422 h0.64 r270
  text "SCLK" at 48.133,45.323 h0.64
  text "PB3" at 56.134,45.323 h0.64
  text "5P" at 6.731,43.933 h0.64 r270
  text "5N" at 0.381,43.889 h0.64 r270
  text "CS" at 49.403,42.799 h0.64
  text "PC1" at 56.134,42.783 h0.64
  text "4P" at 6.731,41.39 h0.64 r270
  text "4N" at 0.381,41.357 h0.64 r270
  text "PWDN" at 48.133,40.243 h0.64
  text "PC2" at 56.134,40.243 h0.64
  text "3N" at 0.381,38.825 h0.64 r270
  text "3P" at 6.731,38.847 h0.64 r270
  text "DIN" at 48.895,37.719 h0.64
  text "PB5" at 56.134,37.703 h0.64
  text "2N" at 0.381,36.293 h0.64 r270
  text "2P" at 6.731,36.304 h0.64 r270
  text "1N" at 0.381,33.655 h0.64 r270
  text "1P" at 6.731,33.655 h0.64 r270
  text "GND" at 0.381,31.656 h0.64 r270
  text "GND" at 6.731,31.623 h0.64 r270
  text "nRF_RX" at 46.863,29.194 h0.64
  text "nRF_TX" at 56.007,29.194 h0.64
  text "U2_TX" at 46.863,26.651 h0.64
  text "U2_RX" at 56.007,26.651 h0.64
  text "CC_RX" at 46.863,24.028 h0.64
  text "CC_TX" at 56.007,24.028 h0.64
  text "U2_TX" at 46.863,21.463 h0.64
  text "U2_RX" at 56.007,21.463 h0.64
  text "HC_RX" at 46.863,19.05 h0.64
  text "HC_TX" at 56.007,19.05 h0.64
  text "RX" at 57.277,6.858 h0.64
  text "TX" at 59.69,6.858 h0.64
  text "GND" at 62.23,6.858 h0.64
  text "VCC" at 64.77,6.858 h0.64
  text "AVDD" at 72.878,6.858 h0.64
  text "3.3V" at 76.557,6.858 h0.64
  text "VCC" at 80.673,6.858 h0.64
  text "VCC" at 83.213,6.858 h0.64
  text "AVSS" at 72.878,0.381 h0.64
  text "GND" at 75.565,0.381 h0.64
  text "GND" at 78.105,0.381 h0.64
  text "GND" at 80.645,0.381 h0.64
  text "GND" at 83.185,0.381 h0.64
Mechanical 1:
  the board outline again, w0.508

## Dimensions
0,80 to 0,0 on Mechanical 1
0,0 to 100,0 on Mechanical 1

## Text inside footprints (layer, text, board x,y; h text height)
P3: Top Overlay "+" at 94.553,52.072 h1 r90
P8: Top Overlay "+" at 94.553,63.629 h1 r90